# Altium PCB SI944D.PcbDoc (part 3 of 5) (continued)
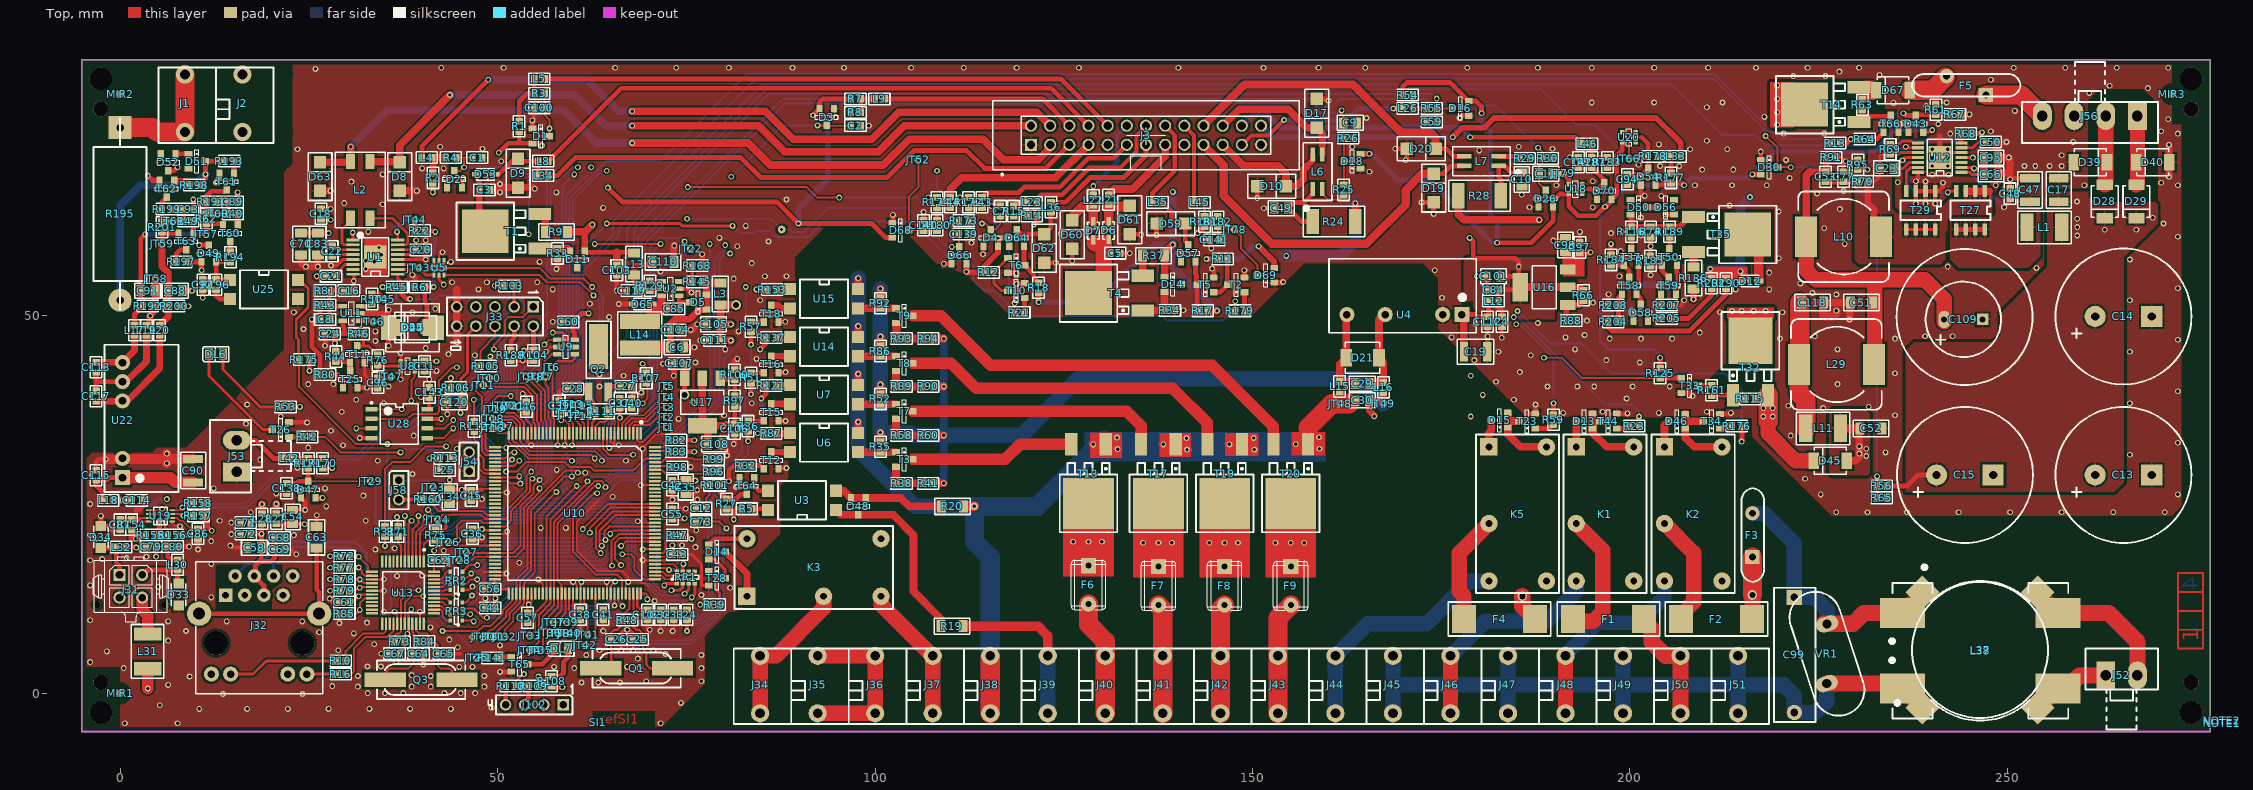
[diagram p0: Top view]
## Nets (pads, with @x,y where several pads share a name; then routed paths per layer and width w, separated by ;. In a path a pad name is that pad's centre, name@x,y a point inside that pad or via, vN(x,y) a via of type N, cw(c..) or ccw(c..) an arc to the next point about the centre after c; other vN are vias at no path point) (continued)
GNDISOFP: C30.1 JT49.1 L16.2 R35.2 R41.1 R52.2 R60.1 R86.2 R90.1 R92.2 R94.1 | length 125
  Top w0.889: v1(166.116,36.703) 166.116,36.83 165.443,37.503 C30.1@165.443,38.798 166.878,38.798 JT49.1@167.322,38.354 L16.2@167.322,39.842
  Top w1.016: R35.2@100.711,33.401 v1(100.711,34.544) ; R52.2@100.711,39.751 v1(100.711,40.894) ; R86.2@100.711,46.101 v1(100.711,47.244) ; R92.2@100.711,52.451 v1(100.711,53.594) ; R41.1@107.823,27.813 v1(109.093,27.813) ; R60.1@107.823,34.163 v1(109.093,34.163) ; R90.1@107.823,40.64 v1(109.093,40.64) ; R94.1@107.823,46.99 v1(109.093,46.99)
  Bottom w1.016: v1(109.093,27.813) v1(109.093,34.163) v1(109.093,40.64) v1(109.093,46.99)
  Bottom w2.032: v1(100.711,53.594) v1(100.711,47.244) v1(100.711,40.894) v1(100.711,34.544) 104.648,34.544 105.029,34.163 v1(109.093,34.163) 119.38,34.163 126.873,41.656 164.02,41.656 JT49.1@167.322,38.354
GNDISOTI: C88.2 C89.1 C91.1 C93.2 D49.3 D52.3 J2.1 J2.2 JT58.1 L19.2 R192.1 R200.2 T61.2 T62.2 | length 17.6
  Top w0.635: v1(3.651,68.58) 4.297,67.934 T62.2@5.216,67.934 ; D52.3@6.35,69.226 7.155,69.226 v1(7.62,69.691) ; R200.2@7.814,51.276 v1(9.049,51.276) ; v1(9.684,65.405) 9.719,65.369 C93.2@9.719,64.135 ; v1(10.477,59.372) 11.736,59.372 D49.3@11.747,59.361 ; v1(12.7,67.627) 13.154,68.081 T61.2@13.154,68.886 ; v1(15.557,66.358) 15.593,66.322 C89.1@15.593,65.087
  Top w0.889: L19.2@3.969,48.772 v1(3.969,50.006) 4.322,50.359 R192.1@4.322,51.276 4.699,51.653 JT58.1@4.699,54.927 ; C88.2@8.217,53.34 v1(9.525,53.34)
IHM_DATA_A: D8.K J3.2 L2.3 | length 97.1
  Top w1.016: L2.3@33.084,70.425 36.953,70.425 D8.K@37.02,70.358 37.02,72.581 v1(43.688,79.248) ; v1(67.818,75.184) 84.582,75.184 88.011,71.755 100.457,71.755 103.892,75.19 J3.2@120.65,75.19
  Bottom w1.016: v1(43.688,79.248) 60.198,79.248 64.262,75.184 v1(67.818,75.184)
IHM_DATA_B: D63.K J3.3 L2.4 | length 107.3
  Top w1.016: D63.K@26.479,70.358 30.476,70.358 L2.4@30.543,70.425 v1(30.543,72.39) ; v1(67.818,72.898) 83.185,72.898 86.106,69.977 101.092,69.977 104.521,73.406 114.3,73.406 117.018,70.688 121.59,70.688 123.19,72.288 J3.3@123.19,72.65
  Bottom w1.016: v1(30.543,72.39) 35.369,77.216 58.801,77.216 63.119,72.898 v1(67.818,72.898)
LED_ACT: R10.1 U13.26 | length 8.7
  Top w0.254: R10.1@29.881,4.286 29.881,5.592 32.226,7.938 34.925,7.938 35.215,8.228 U13.26@35.215,9.214
LED_LINK: R16.1 U13.28 | length 11.4
  Top w0.254: R16.1@29.881,2.54 30.639,2.54 30.956,2.857 30.956,5.874 32.544,7.461 35.401,7.461 36.215,8.275 U13.28@36.215,9.214
MAL_K1: J44.1 J44.2 K5.14 | length 32
  Bottom w2.032: J44.1@160.98,-2.65 J44.2@160.98,4.97 165.218,9.207 173.037,9.207 178.689,14.859 K5.14@181.308,14.859
N_ALIM: C99.2 J45.1 J45.2 J47.1 J47.2 J49.1 J49.2 J51.1 J51.2 L37.1 L38.1 VR1.1 | length 107.7
  Top w1.27: L37.1@238.64,-1.905 L37.1@238.734,-1.905
  Top w2.159: VR1.1@226.062,1.286 235.449,1.286 L38.1@236.099,0.636 L37.1@238.64,-1.905
  Bottom w2.032: J45.1@168.6,-2.65 168.6,1.111 ; J45.2@168.6,4.97 168.6,1.111 ; J47.1@183.832,-2.643 183.832,1.111 ; J47.2@183.84,4.97 183.84,1.111 ; J49.1@199.072,-2.643 199.072,1.111 ; J49.2@199.08,4.97 199.08,1.111 ; J51.1@214.32,-2.65 214.32,1.111 ; J51.2@214.32,4.97 214.32,1.111 ; VR1.1@226.062,1.286 226.062,-1.11 224.631,-2.54 C99.2@221.774,-2.54 221.774,-0.318 220.345,1.111 214.32,1.111 ; 168.6,1.111 183.832,1.111 ; 183.832,1.111 183.84,1.111 ; 183.84,1.111 199.072,1.111 ; 199.072,1.111 199.08,1.111 ; 199.08,1.111 214.32,1.111
N_EV: J35.1 J35.2 J36.1 J36.2 | length 91.4
  Top w2.032: J35.1@92.4,-2.65 J36.1@100.02,-2.65 J36.2@100.02,4.97 J35.2@92.4,4.97
  MidLayer1 w2.032: J35.1@92.4,-2.65 J36.1@100.02,-2.65 J36.2@100.02,4.97 J35.2@92.4,4.97
  MidLayer2 w2.032: J35.1@92.4,-2.65 J36.1@100.02,-2.65 J36.2@100.02,4.97 J35.2@92.4,4.97
  Bottom w2.032: J35.1@92.4,-2.65 J36.1@100.02,-2.65 J36.2@100.02,4.97 J35.2@92.4,4.97
N_FP: J39.1 J39.2 R19.1 | length 22
  Top w1.27: R19.1@111.622,8.89 121.602,8.89 122.88,7.612 J39.2@122.88,4.97
  Bottom w2.032: J39.1@122.88,-2.65 J39.2@122.88,4.97
NetC3_1: C3.1 D53.A T1.2 | length 8
  Top w0.635: D53.A@47.244,68.739 47.244,68.104 47.589,67.758 C3.1@47.589,66.675
  Top w0.889: C3.1@47.589,66.675 47.589,61.969 T1.2@48.362,61.196
NetC5_1: C5.1 D6.A D7.A T4.2 | length 8.7
  Top w2.159: T4.2@128.27,53.015 130.302,55.047 130.302,59.619 D7.A@129.088,59.619
NetC6_2: C6.2 C104.1 D5.1 D5.2 L3.1 L14.2 R145.2 | length 18.8
  Top w0.889: C6.2@72.898,45.847 72.898,48.931 73.497,49.53 75.406,49.53 76.717,50.841 D5.1@77.681,50.841 D5.2@77.681,52.791 77.681,53.927 R145.2@77.125,54.483 77.597,54.483 77.681,54.399
  Top w1.016: 77.681,54.399 79.459,54.399 L3.1@79.502,54.356
  Top w1.524: L14.2@68.834,45.748 C6.2@72.644,45.748
NetC8_1: C8.1 JT46.1 R43.2 R80.1 U11.1 | length 20.7
  Top w0.635: R80.1@26.476,42.227 26.476,44.803 25.4,45.879 v1(25.4,49.53) C8.1@26.476,49.53 R43.2@26.476,51.435 ; U11.1@31.789,49.374 33.335,49.374 JT46.1@33.496,49.212
  Bottom w0.635: v1(25.4,49.53) 25.717,49.212 JT46.1@33.496,49.212
NetC8_2: C8.2 C16.2 R43.1 R81.2 U11.4 | length 7.4
  Top w0.635: C8.2@27.817,49.53 27.781,49.566 27.781,53.34 R81.2@27.817,53.34 C16.2@29.651,53.34 ; R43.1@27.817,51.435 27.978,51.274 U11.4@29.489,51.274
NetC10_2: C10.2 L7.1 R28.2 | length 7.5
  Top w0.635: R28.2@182.908,65.913 182.908,68.044 182.626,68.326 L7.1@182.626,69.85 183.388,69.85 184.277,68.961 185.649,68.961 C10.2@185.674,68.986
NetC19_2: C19.2 C112.1 L12.2 U4.1 | length 10.7
  Top w0.635: U4.1@177.736,50.165 179.455,50.165 179.737,49.883 C112.1@181.134,49.883 181.256,50.006 L12.2@181.256,51.943
  Top w1.016: U4.1@177.736,50.165 177.996,49.905 C19.2@177.996,45.244
NetC21_2: C21.2 U1.14 | length 3.1
  Top w0.381: C21.2@28.611,55.245 29.242,55.876 29.242,56.261 29.791,56.81 U1.14@30.844,56.81
NetC22_1: C22.1 U1.11 | length 2.9
  Top w0.381: C22.1@28.099,59.091 28.825,59.091 29.156,58.76 U1.11@30.844,58.76
NetC22_2: C22.2 U1.12 | length 2.9
  Top w0.381: C22.2@28.099,57.749 28.293,57.944 29.019,57.944 29.186,58.11 U1.12@30.844,58.11
NetC23_1: C23.1 L10.1 R69.2 R70.1 T27.1 T27.2 T27.3 T29.5 T29.6 T29.7 T29.8 U12.10 | length 25.7
  Top w0.381: R70.1@231.493,67.786 232.41,67.786 233.083,68.459 C23.1@233.083,69.532 233.083,71.158 233.327,71.402 R69.2@234.474,71.402 235.486,71.402 235.703,71.619 U12.10@238.171,71.619 ; T29.5@236.601,61.444 T29.6@237.871,61.444 T29.7@239.141,61.444 T29.8@240.411,61.444 ; 247.581,66.524 247.721,66.384 247.721,65.151
  Top w0.889: R70.1@231.493,67.786 231.493,64.893 232.299,64.087 L10.1@232.299,60.452
  Top w1.016: T27.3@244.602,66.524 T27.2@245.745,66.524 T27.1@247.015,66.524 247.581,66.524
NetC23_2: C23.2 U12.12 | length 3.6
  Top w0.381: C23.2@234.912,69.532 236.156,69.532 236.943,70.319 U12.12@238.171,70.319
NetC25_2: C25.2 Q1.2 R48.2 U10.106 | length 14.1
  Top w0.254: R48.2@67.945,9.684 67.982,9.721 U10.106@67.982,13.243
  Top w0.305: R48.2@67.945,9.684 67.945,8.839 68.37,8.414 68.739,8.414 69.251,7.902 C25.2@69.251,7.144 69.251,5.838 69.691,5.397 69.691,3.81 70.168,3.334 Q1.2@73.171,3.334
NetC26_2: C26.2 Q1.1 R48.1 U10.105 | length 12.4
  Top w0.254: R48.1@66.481,9.684 66.481,10.283 67.482,11.285 U10.105@67.482,13.243
  Top w0.305: Q1.1@63.671,3.334 64.77,3.334 65.052,3.616 C26.2@65.052,7.144 65.052,8.061 65.405,8.414 65.881,8.414 66.481,9.013 R48.1@66.481,9.684
NetC27_1: C27.1 Q2.2 R111.2 U10.13 | length 8.9
  Top w0.254: U10.13@62.982,34.443 62.982,35.36 63.563,35.941 64.262,35.941 64.643,36.322 ; Q2.2@64.643,39.842 Q2.2@64.643,39.926
  Top w0.381: 64.643,36.322 Q2.2@64.643,39.842
  Top w0.635: Q2.2@64.643,39.926 64.717,40 64.717,40.64 C27.1@66.322,40.64
NetC28_1: C28.1 Q2.1 R111.1 U10.14 | length 7.5
  Top w0.254: Q2.1@62.103,39.243 Q2.1@62.103,39.926 ; U10.14@62.482,34.443 62.484,34.445 62.484,35.814
  Top w0.305: Q2.1@62.103,39.243 62.84,38.506 R111.1@62.84,37.338 62.84,36.17 62.484,35.814
  Top w0.635: C28.1@60.678,40.322 61.706,40.322 Q2.1@62.103,39.926
NetC29_1: C29.1 D21.2 L16.1 U4.5 | length 11.7
  Top w0.635: U4.5@167.449,50.165 U4.5@167.576,50.165
  Top w0.762: C29.1@165.442,41.021 165.569,41.148 C29.1@165.442,41.148
  Top w1.016: C29.1@165.569,41.148 165.605,41.184 L16.1@167.322,41.184 167.322,43.879 D21.2@166.751,44.45 166.751,49.467 U4.5@167.449,50.165
NetC29_2: C29.2 D21.1 L15.1 U4.7 | length 11.3
  Top w0.635: U4.7@162.496,50.038 U4.7@162.496,50.165
  Top w1.016: L15.1@161.544,41.311 161.544,43.561 D21.1@162.433,44.45 162.433,49.975 U4.7@162.496,50.038 ; L15.1@161.607,41.184 163.451,41.184 C29.2@163.614,41.021
NetC47_2: C47.2 C48.1 L1.2 R68.1 T27.5 T27.6 T27.7 T27.8 U12.2 | length 20.8
  Top w0.381: U12.2@243.921,69.669 245.45,69.669 v1(245.586,69.532)
  Top w0.635: T27.5@243.205,61.444 T27.6@244.475,61.444 T27.7@245.745,61.444 T27.8@247.015,61.444 ; R68.1@245.146,74.144 246.483,74.144 v1(246.634,74.295) ; v1(249.555,64.389) 250.349,65.183 C48.1@250.349,65.528
  Bottom w0.381: v1(246.634,74.295) 246.634,70.08 246.087,69.532 v1(245.586,69.532) 245.586,68.358 v1(249.555,64.389)
NetC49_2: C49.2 L6.1 R24.2 | length 8.7
  Top w0.635: R24.2@157.96,62.484 156.489,62.484 C49.2@154.711,64.262 155.473,65.024 156.845,65.024 157.988,66.167 L6.1@157.988,66.802
NetC50_1: C50.1 U12.6 | length 3.5
  Top w0.381: U12.6@243.921,72.269 245.394,72.269 246.15,73.025 C50.1@247.138,73.025
NetC51_2: C51.2 C53.1 C109.2 L10.2 L29.1 R91.2 | length 50.1
  Top w0.889: 223.837,69.092 C53.1@225.901,69.092 ; C53.1@225.989,69.068 R91.2@225.989,70.993
  Top w1.016: L10.2@223.332,60.484 223.332,68.587 223.837,69.092
  Top w2.032: L10.2@223.332,60.484 223.332,56.068 224.638,54.762 232.41,54.765 ; L29.1@232.41,44.767 232.41,54.765 ; C109.2@241.617,49.212 C109.2@241.617,49.53 241.617,52.229 239.077,54.769 232.41,54.769 232.41,54.765
NetC53_2: C53.2 C77.2 R70.2 | length 4.1
  Top w0.635: C53.2@226.06,67.655 226.096,67.691 230.057,67.691 R70.2@230.152,67.786
NetC54_2: C54.2 C61.1 C62.1 C67.1 L27.2 R71.2 R73.2 U13.19 U13.32 U13.48 | length 17.9
  Top w0.254: v1(31.591,12.859) 31.818,13.085 U13.19@33.344,13.085 ; C67.1@37.024,5.239 37.695,5.909 R73.2@37.695,6.826 37.695,7.532 38.215,8.052 U13.32@38.215,9.214 38.215,10.751 v1(38.576,11.112)
  Top w0.305: U13.48@41.586,16.085 41.586,17.592 C62.1@41.557,17.621 41.557,18.856 v1(41.593,18.891)
  Top w0.381: C61.1@30.389,12.065 30.547,12.224 30.956,12.224 v1(31.591,12.859) ; v1(36.671,23.336) 36.608,23.336 36.83,23.114 R71.2@36.83,22.102
  Top w0.635: L27.2@20.701,22.443 C54.2@22.86,22.443 ; C54.2@22.86,22.454 24.378,22.454 v1(24.447,22.384)
  other v1: 38.049,7.874
NetC58_2: C58.2 C68.1 C69.1 C71.1 C72.1 J32.4 J32.5 J32.9 J32.11 L28.2 R72.2 R77.2 R78.2 R79.2 | length 23.7
  Top w0.305: v1@27.686,13.589 v1(27.813,13.589) 27.686,13.716 v1@27.686,13.589
  Top w0.635: C71.1@17.308,22.606 C72.1@17.308,21.082 17.339,21.114 v1(18.732,21.114) ; L28.2@18.796,22.443 18.732,22.38 v1(18.732,21.114) ; J32.5@19.05,13 19.05,14.27 J32.4@17.78,15.54 17.939,15.699 17.939,16.986 18.415,17.462 ; C68.1@20.443,20.637 C69.1@20.443,19.05 20.443,17.903 20.002,17.462 18.415,17.462 ; v1(27.813,13.589) R79.2@29.047,13.589 ; v1(27.813,15.113) R78.2@29.047,15.113 ; v1(27.813,16.637) R77.2@29.047,16.637 ; v1(27.813,18.161) R72.2@29.047,18.161 ; 18.415,17.462 18.694,17.742 C58.2@18.694,19.304 18.732,19.342 v1(18.732,21.114)
NetC63_2: C63.2 J32.FIX1 J32.FIX2 | length 24.7
  Top w0.635: J32.FIX2@10.47,10.55 J32.FIX1@26.37,10.55 26.37,13.381 26.035,13.716 C63.2@26.035,19.219
NetC64_2: C64.2 Q3.1 R84.1 U13.33 | length 11.4
  Top w0.254: Q3.1@35.128,1.651 Q3.1@35.128,1.81 35.128,2.743 35.687,3.302 38.227,3.302 38.858,3.933 C64.2@38.858,5.239 38.858,6.842 ; U13.33@38.715,9.214 38.723,9.205 38.723,8.108 38.858,7.973 38.858,6.842 ; R84.1@39.601,6.842 38.858,6.842
NetC65_2: C65.2 Q3.2 R84.2 U13.34 | length 11.6
  Top w0.254: U13.34@39.215,9.214 39.215,8.283 39.56,7.938 40.64,7.938 40.942,7.636 R84.2@40.942,6.842 ; C65.2@42.073,5.08 42.073,3.647 42.418,3.302 43.688,3.302 43.974,3.016 43.974,2.305 Q3.2@44.628,1.651
  Top w0.305: R84.2@40.942,6.842 41.613,6.842 42.104,6.35 C65.2@42.104,5.239 ; C65.2@42.073,5.08 C65.2@42.073,5.239
NetC66_2: C66.2 C95.2 U12.1 | length 5.3
  Top w0.381: U12.1@243.921,69.019 244.989,69.019 245.269,68.739 C66.2@246.894,68.739
  Top w0.889: C66.2@246.894,68.739 C95.2@246.894,70.961
NetC77_1: C77.1 R91.1 R95.2 U12.4 | length 25.6
  Top w0.381: R91.1@227.33,70.993 228.092,70.993 v1(228.6,70.485) ; C77.1@228.219,69.032 228.219,70.104 v1(228.6,70.485) ; R95.2@230.188,70.679 229.429,70.679 229.235,70.485 v1(228.6,70.485) ; U12.4@243.921,70.969 245.42,70.969 v1(245.427,70.961)
  Bottom w0.381: v1(228.6,70.485) 233.204,70.485 235.871,73.152 244.094,73.152 245.427,71.819 v1(245.427,70.961)
NetC79_1: C79.1 L32.1 R155.1 U19.5 | length 13.5
  Top w0.254: U19.5@3.784,24.245 5.354,24.245 v1(5.556,24.447)
  Top w0.635: L32.1@0.829,19.367 2.095,19.367 v1(2.159,19.304) ; v1(4.763,18.098) 4.763,20.927 R155.1@4.735,20.955 4.735,21.372 5.207,21.844 v1(5.207,22.86)
  Bottom w0.381: v1(5.207,22.86) 5.207,24.098 v1(5.556,24.447)
  Bottom w0.635: v1(2.159,19.304) 4.445,19.304 4.763,18.986 v1(4.763,18.098)
NetC80_1: C80.1 L30.1 R156.1 U19.6 | length 9.3
  Top w0.254: U19.6@3.784,23.745 5.592,23.745 5.969,23.368 5.969,21.971 6.35,21.59 6.35,20.991 R156.1@6.314,20.955
  Top w0.635: R156.1@6.314,20.955 6.314,18.07 6.695,17.689 L30.1@7.62,17.689
NetC85_1: C85.1 D65.K L14.1 U2.6 | length 6.6
  Top w0.508: L14.1@68.834,49.248 69.949,49.248 L14.1@70.39,49.689
  Top w0.889: 71.748,51.211 72.451,51.211 C85.1@72.563,51.1
  Top w1.016: 71.748,51.211 U2.6@71.748,52.451
  Top w1.27: L14.1@70.39,49.689 70.39,50.705
  Top w1.651: 70.612,50.927 C85.1@72.39,50.927
NetC85_2: C85.2 D5.3 U2.1 | length 3.2
  Top w0.508: U2.1@74.048,52.644 74.048,51.816 ; C85.2@74.077,50.927 74.048,50.956 74.048,51.816 ; D5.3@75.481,51.816 74.048,51.816
NetC87_1: C87.1 R154.1 U19.7 U19.8 | length 6.3
  Top w0.254: U19.8@3.784,22.745 2.31,22.745 2.54,23.019 2.254,23.245 U19.7@3.784,23.245
  Top w0.635: C87.1@0,23.019 2.54,23.019
NetC89_2: C89.2 JT60.1 R40.1 R191.2 | length 4.5
  Top w0.635: R191.2@12.736,65.087 C89.2@14.252,65.087 R40.1@14.252,63.5 JT60.1@12.859,63.5
NetC90_2: C90.2 C115.1 L18.2 U22.1 | length 16.3
  Top w0.635: L18.2@-2.258,25.559 -2.258,26.547 -3.175,27.464 C115.1@-3.175,28.222 -3.175,28.258 -1.746,28.258 -1.429,28.575 U22.1@0.318,28.575
  Top w1.524: U22.1@0.318,28.575 6.667,28.575 7.302,27.94 C90.2@9.684,27.94
NetC92_1: C92.1 D49.1 R196.1 R197.2 U25.2 | length 12.5
  Top w0.635: R197.2@8.767,57.15 10.761,57.15 D49.1@10.773,57.161 10.773,56.061 v1(10.795,56.039) ; v1(10.954,52.387) C92.1@10.954,53.463 R196.1@12.7,53.463 12.7,52.705 13.176,52.229 U25.2@14.55,52.229
  Bottom w0.635: v1(10.795,56.039) 10.954,55.88 v1(10.954,52.387)
NetC92_2: C92.2 D49.2 R194.1 R196.2 U25.1 | length 7.8
  Top w0.635: C92.2@10.954,54.804 R196.2@12.7,54.804 ; R196.2@12.722,54.769 U25.1@14.55,54.769 ; R196.2@12.722,54.827 D49.2@12.722,57.161 14.558,57.161 R194.1@14.605,57.114
NetC93_1: C93.1 JT61.1 R49.1 R199.1 | length 4.5
  Top w0.635: R199.1@6.862,64.135 C93.1@8.378,64.135 R49.1@8.378,62.547 JT61.1@6.985,62.547
NetC94_2: C94.2 D54.3 R178.2 U20.2 | length 8.4
  Top w0.381: U20.2@200.765,73.66 201.549,73.66
  Top w0.635: C94.2@199.644,68.743 201.628,68.743 D54.3@202.406,69.521 202.406,71.084 R178.2@202.371,71.12 202.371,72.838 201.549,73.66
NetC96_2: C96.2 JT47.1 R76.2 U8.2 | length 6.4
  Top w0.381: JT47.1@35.877,41.91 35.754,41.787 C96.2@34.131,41.787 34.131,43.339 U8.2@37.201,43.339
NetC99_1: C99.1 F3.2 L37.4 L38.4 VR1.2 | length 36
  Top w2.159: VR1.2@225.742,9.207 229.552,9.207 230.981,10.636 L38.4@236.099,10.636 238.734,13.271 L37.4@238.734,13.361
  Bottom w2.032: F3.2@216.218,23.814 217.804,23.814 221.774,19.844 C99.1@221.774,12.7 224.472,12.7 226.122,11.051 VR1.2@226.122,9.191
NetC110_2: C110.2 C119.1 L13.2 R129.2 U2.5 | length 9.4
  Top w0.508: R129.2@70.175,53.304 70.83,53.304 71.12,53.594 U2.5@71.748,53.594
  Top w0.635: R129.2@70.175,53.304 70.139,53.34 C119.1@68.433,53.34 68.433,54.249 68.072,54.61 L13.2@68.072,55.393 68.072,56.388 68.453,56.769 70.083,56.769 C110.2@70.464,57.15
NetC113_1: C113.1 L17.1 U22.7 | length 7.8
  Top w0.889: C113.1@-3.175,43.851 0.282,43.851 U22.7@0.318,43.815 1.905,45.402 L17.1@1.905,47.431
NetC113_2: C113.2 C117.1 L19.1 U22.6 | length 13.7
  Top w0.635: C117.1@-3.175,40.041 -3.175,41.275 ; C113.2@-3.175,42.509 -3.175,41.275 ; U22.6@0.318,41.275 -3.175,41.275
  Top w0.889: U22.6@0.318,41.275 0.794,41.275 3.492,43.974 L19.1@3.492,47.431
NetC117_2: C117.2 L20.1 U22.5 | length 14.3
  Top w0.889: C117.2@-3.175,38.699 0.155,38.699 0.191,38.735 U22.5@0.318,38.735 0.953,38.735 5.239,43.021 L20.1@5.239,47.113
NetC118_2: C118.2 L11.1 L29.2 | length 17.1
  Top w2.54: C118.2@222.477,51.752 222.477,43.642 L29.2@222.396,43.561 222.396,39.781 223.284,38.894 L11.1@223.284,35.084
NetC142_2: C142.2 D70.3 R187.2 U18.2 | length 7.7
  Top w0.381: U18.2@193.685,66.802 194.564,66.802
  Top w0.635: C142.2@193.167,69.656 R187.2@194.945,69.656 196.596,68.005 D70.3@196.596,67.648 195.75,66.802 194.564,66.802
NetD6_K: D6.K D61.K L21.1 | length 4.7
  Top w1.27: D6.K@130.937,62.48 130.937,64.48 D61.K@133.604,64.48
NetD7_K: D7.K D60.K L22.1 | length 5.8
  Top w1.27: D60.K@126.111,62.667 126.111,63.119 127.437,64.445 128.905,64.445 D7.K@128.905,62.445
NetD9_K: D9.K D53.K L8.1 L34.1 | length 8.4
  Top w0.635: D53.K@49.594,68.739 50.165,68.739 51.911,70.485 L8.1@55.368,70.485 L34.1@55.368,68.58
NetD11_2: D11.2 R33.2 T1.1 | length 4.1
  Top w1.016: T1.1@55.562,58.896 59.275,58.896 D11.2@59.557,58.614
NetD12_A: D12.A T35.2 | length 6.8
  Top w1.27: T35.2@215.607,60.776 217.075,59.308 D12.A@217.075,54.61
NetD13_1: D13.1 D13.2 K1.A2 T44.3 | length 9.8
  Top w0.635: 195.029,36.068 T44.3@196.036,36.068
  Top w1.016: D13.2@195.029,37.043 195.029,36.068 D13.1@195.029,35.093 195.029,34.523 196.913,32.639 K1.A2@200.493,32.639
NetD14_1: D14.1 D14.2 K3.A2 T28.3 | length 11.2
  Top w0.381: D14.2@77.957,17.758 78.762,17.758 80.158,16.362 T28.3@80.158,15.24
  Top w0.635: D14.2@77.957,17.758 77.957,19.674 78.762,20.479 K3.A2@83.026,20.479
NetD15_1: D15.1 D15.2 K5.A2 T23.3 | length 10.1
  Top w1.016: D15.2@183.821,37.17 183.821,36.036 ; T23.3@185.264,36.068 183.853,36.068 183.821,36.036 ; K5.A2@188.928,32.639 185.483,32.639 183.821,34.301 D15.1@183.821,35.22 183.821,36.036
NetD24_2: D24.2 R34.2 T4.1 | length 5.1
  Top w1.016: T4.1@135.47,50.715 R34.2@138.303,50.715 ; R34.2@138.346,50.729 D24.2@138.346,53.015
NetD27_A: D27.A D44.A D55.A JT45.1 R6.2 R22.1 R50.1 | length 24.6
  Top w0.635: R50.1@33.337,52.899 34.254,52.899 JT45.1@34.925,52.229 ; R22.1@40.358,61.277 41.593,61.277 v1(41.751,61.119) ; D27.A@40.64,48.419 40.64,51.594 40.358,51.876 R6.2@40.358,53.816 v1(41.529,53.816)
  Bottom w0.508: JT45.1@34.925,52.229 36.354,52.229 38.005,53.88 41.529,53.88 41.529,59.15 41.751,59.372 v1(41.751,61.119)
NetD28_A: D28.A D39.K J56.2 | length 9.2
  Top w2.032: D28.A@262.89,67.348 263.02,67.478 J56.2@263.02,76.47
NetD29_A: D29.A D40.K J56.1 | length 9.2
  Top w2.032: D29.A@267.081,67.348 267.22,67.487 J56.1@267.22,76.47
NetD46_1: D46.1 D46.2 K2.A2 T34.3 | length 11
  Top w1.016: D46.2@207.316,37.011 207.316,36.036 ; T34.3@209.72,36.036 207.316,36.036 ; K2.A2@212.185,32.639 208.502,32.639 207.316,33.825 D46.1@207.316,35.061 207.316,36.036
NetD48_1: D48.1 D48.2 R20.2 U3.2 | length 14.8
  Top w1.016: U3.2@94.829,26.829 95.851,26.829 D48.2@96.815,25.865 D48.1@98.765,25.865 103.421,25.865 104.521,24.765 R20.2@108.786,24.765
NetD48_3: D48.3 R19.2 U3.1 | length 25.2
  Top w1.016: U3.1@94.829,24.289 95.464,23.654 D48.3@97.472,23.654 ; D48.3@97.472,23.665 D48.3@97.472,23.654 ; R19.2@108.723,8.89 108.723,9.895 105.093,13.525 105.093,20.955 102.394,23.654 D48.3@97.472,23.654
NetD50_2: D50.2 R74.1 R116.2 R189.2 T35.1 | length 10.4
  Top w0.762: D50.2@200.068,63.414 200.184,63.298 R116.2@200.184,61.789 R74.1@202.724,61.789 R189.2@205.264,61.789 206.569,61.789 207.856,63.076 T35.1@208.407,63.076
NetD50_3: D50.3 D56.3 | length 1.4
  Top w0.762: D50.3@202.268,64.389 D56.3@203.624,64.389
NetD51_1: D51.1 D52.1 | length 1.7
  Top w0.635: D52.1@7.325,71.426 7.359,71.46 D51.1@9.06,71.46
NetD51_3: D51.3 R193.1 R195.2 R198.1 | length 31.1
  Top w0.635: R198.1@10.513,67.31 11.307,68.104 v1(11.307,68.739) D51.3@11.307,70.438 ; D51.3@11.26,70.485 13.299,70.485
  Top w0.762: D51.3@11.26,70.485 D51.3@11.307,70.438
  Bottom w1.016: R195.2@0,52.07 0,64.611 2.699,67.31 9.878,67.31 v1(11.307,68.739)
NetD57_2: D57.2 R17.1 T5.3 | length 6.6
  Top w0.635: D57.2@142.453,57.193 142.453,55.499 142.58,55.372 142.58,54.186 T5.3@142.664,54.102 142.664,50.721 R17.1@142.712,50.673
NetD57_3: D57.3 D59.K L35.1 | length 7.8
  Top w0.635: L35.1@138.085,65.024 138.085,64.988 139.319,63.754 139.319,62.738 139.827,62.23 D59.K@141.097,62.23 141.097,59.901 D57.3@141.605,59.393
NetD58_3: D58.3 T37.2 T50.2 T58.2 T59.2 | length 14.7
  Top w0.635: T37.2@201.127,56.685 201.168,56.644 v1(201.168,54.102) 200.873,53.807 T58.2@200.873,52.875 201.168,52.58 201.168,52.578 201.422,52.324 D58.3@201.422,51.519 ; T59.2@206.08,52.875 206.08,53.68 206.375,53.975 v1(206.375,54.102) 206.375,55.562 206.207,55.731 T50.2@206.207,56.685
  Bottom w0.889: v1(201.168,54.102) v1(206.375,54.102)
NetD62_K: D62.K D64.3 L36.1 | length 7.3
  Top w0.635: D64.3@118.745,61.425 119.337,60.833 D62.K@122.428,60.833 123.317,61.722 123.317,62.357 L36.1@123.317,63.845
NetD64_2: D64.2 R18.1 T6.3 | length 5.6
  Top w0.635: D64.2@119.72,59.225 119.72,56.767 T6.3@119.813,56.674 121.031,55.456 121.031,55.027 R18.1@121.666,54.392
NetD67_K: D67.K R63.2 T14.3 | length 0.8
  Top w2.54: T14.3@231.267,79.883 D67.K@232.029,79.883
NetDL6_A: DL6.A R53.1 | length 11.7
  Top w0.381: DL6.A@13.614,44.92 13.614,42.901 18.574,37.941 R53.1@21.237,37.941
NetDL6_K: DL6.K T26.3 | length 14.2
  Top w0.381: DL6.K@11.786,44.92 11.786,42.031 18.891,34.925 T26.3@20.172,34.925
NetDL7_A: DL7.A R108.1 | length 5.2
  Top w0.635: R108.1@57.15,2.258 58.297,2.258 58.737,2.699 58.737,4.163 59.334,4.76 DL7.A@59.334,5.92
NetDL7_K: DL7.K T65.3 | length 4.6
  Top w0.635: T65.3@54.016,3.851 55.921,3.851 57.506,5.436 DL7.K@57.506,5.92
NetF1_1: F1.1 K1.11 | length 17.6
  Top w2.032: F1.1@192.467,9.525 195.104,9.525 196.374,10.795 196.374,18.978 K1.11@192.873,22.479
NetF2_1: F2.1 K2.11 | length 15.3
  Top w2.032: K2.11@204.565,22.479 208.439,18.605 208.439,12.065 206.755,10.381 F2.1@206.755,9.842 F2.1@206.755,9.525